# KiCad board IMXDesign.kicad_pcb (continued)
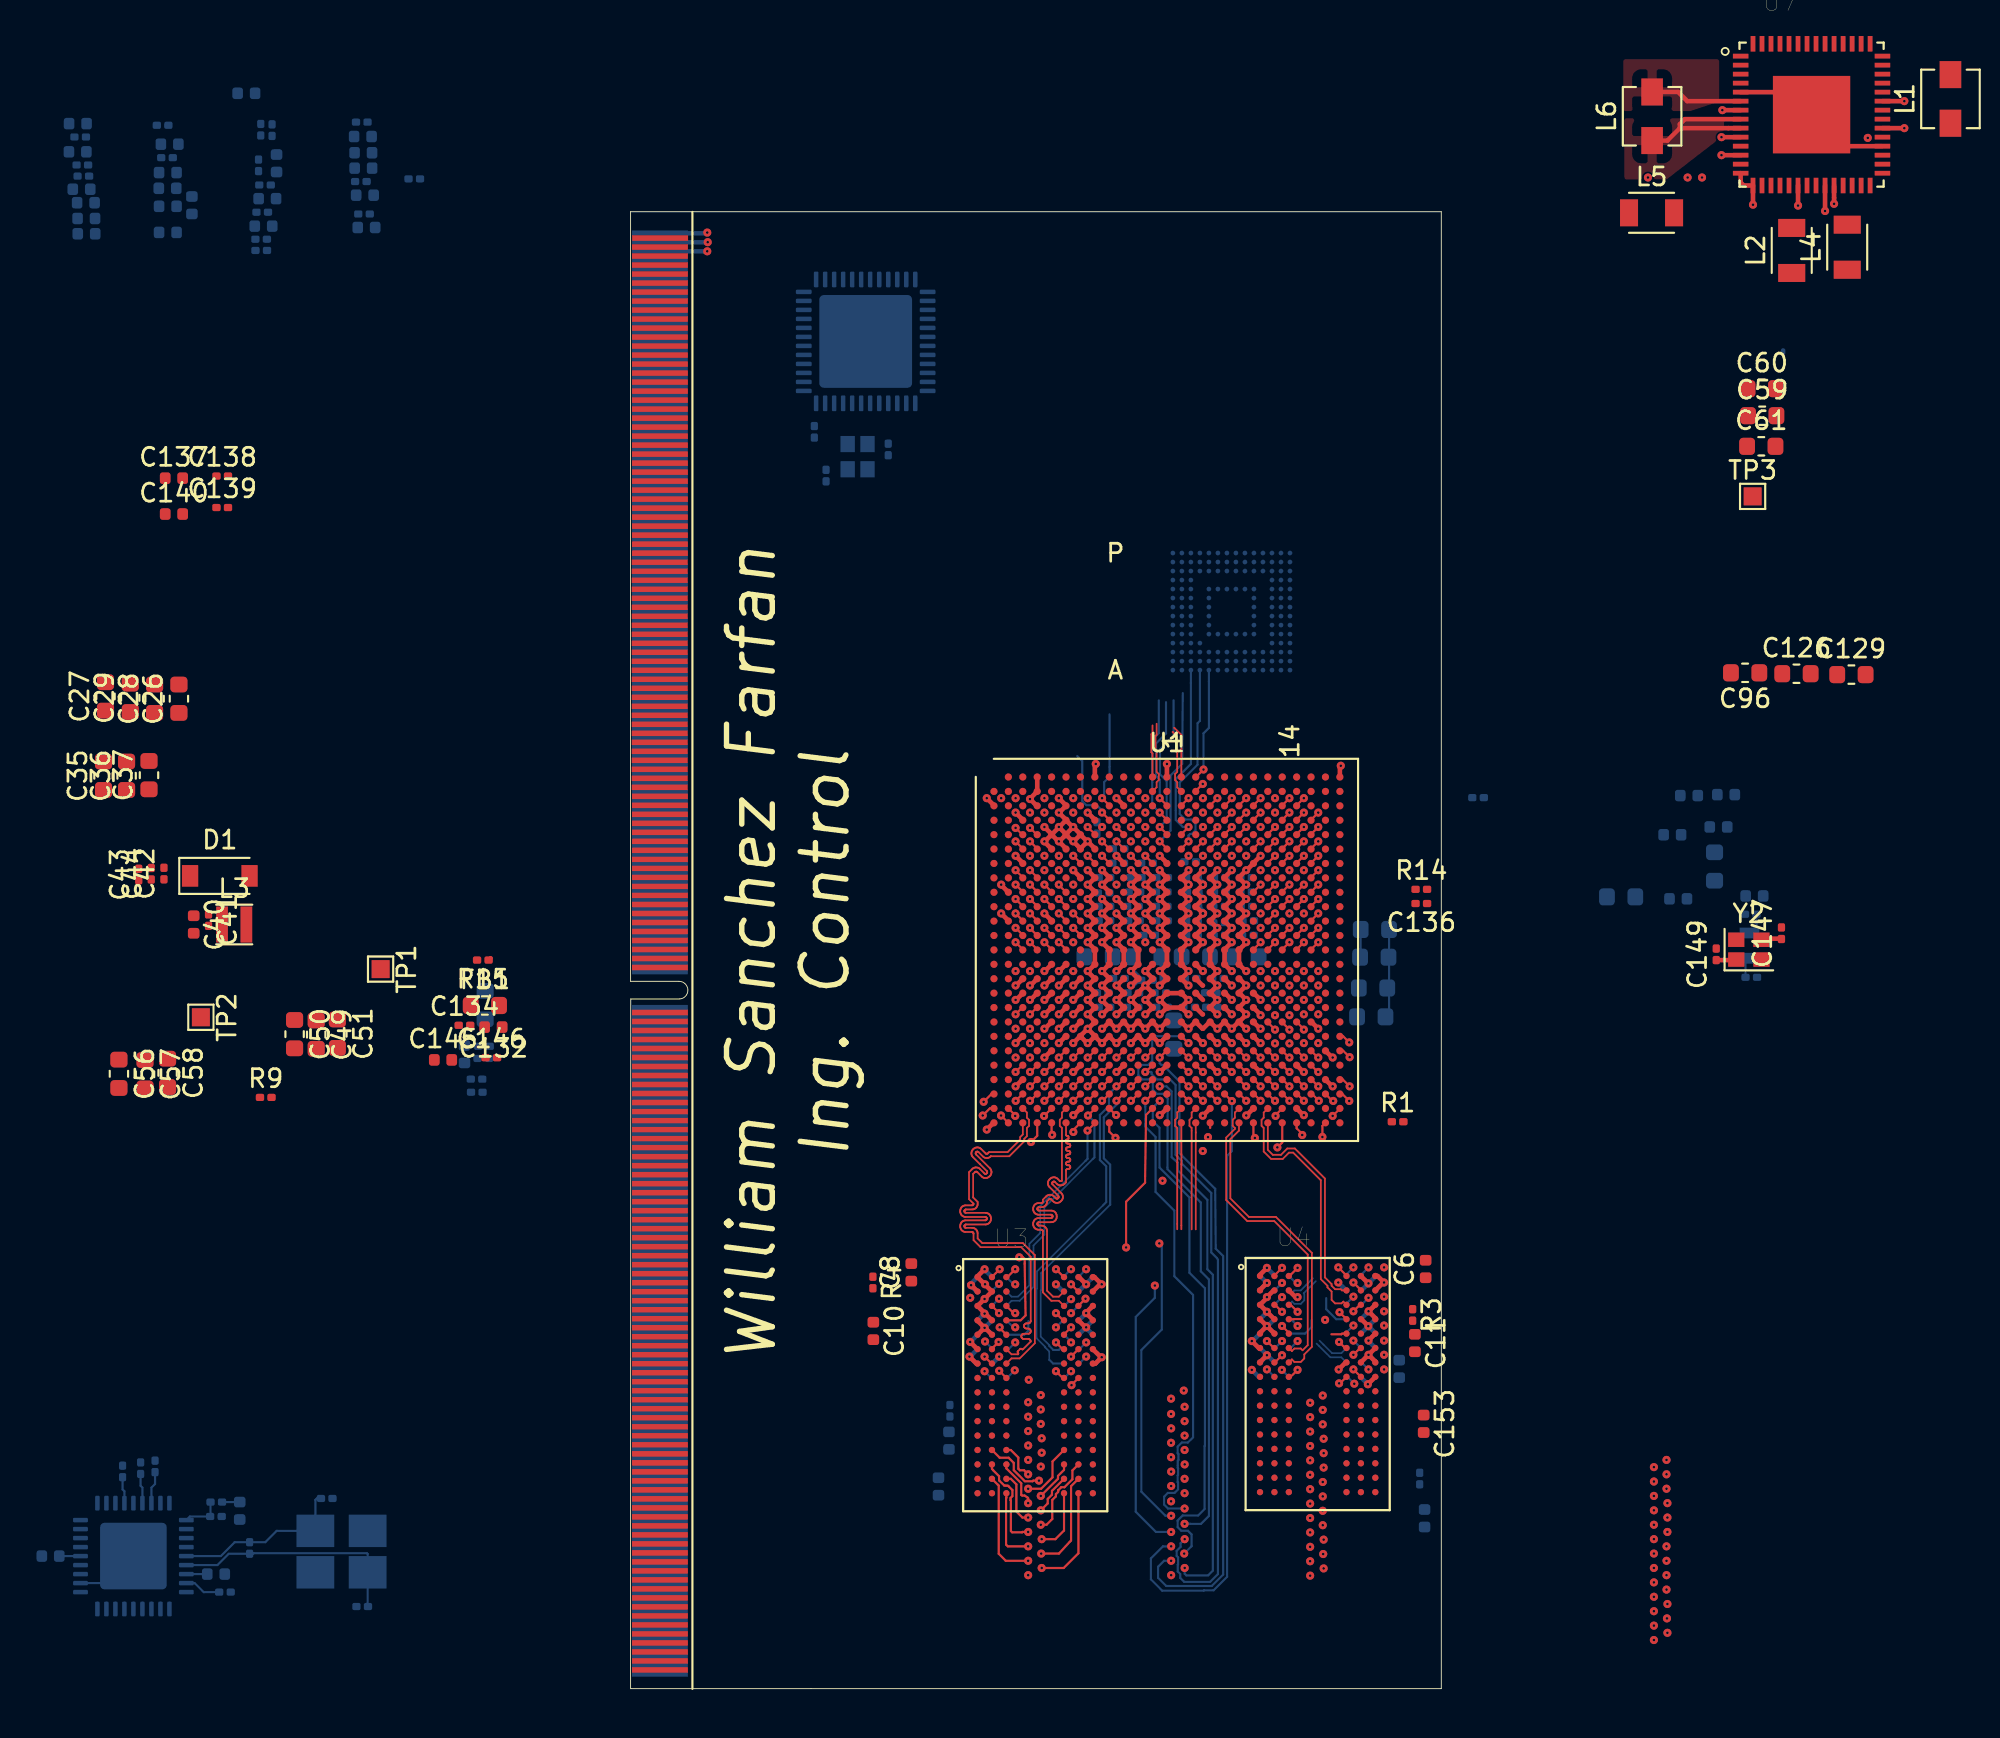
[diagram p0: board, top side]
## Footprints (pads in the part's own frame, mm; a bottom-side part is the same pattern mirrored in y, then rotated) (continued)
  rrect 0.25x0.875 smd: 13(-2.75,-3.438) 14(-2.25,-3.438) 15(-1.75,-3.438) 16(-1.25,-3.438) 17(-0.75,-3.438) 18(-0.25,-3.438) 19(0.25,-3.438) 20(0.75,-3.438) 21(1.25,-3.438) 22(1.75,-3.438) 23(2.25,-3.438) 24(2.75,-3.438) 37(2.75,3.438) 38(2.25,3.438) 39(1.75,3.438) 40(1.25,3.438) 41(0.75,3.438) 42(0.25,3.438) 43(-0.25,3.438) 44(-0.75,3.438) 45(-1.25,3.438) 46(-1.75,3.438) 47(-2.25,3.438) 48(-2.75,3.438)
  rrect 5.15x5.15 smd: 49(0,0)
R_0201_0603Metric
  rrect 0.318x0.36 smd: (-0.345,0) (0.345,0)
  rrect 0.46x0.4 smd: 1(-0.32,0) 2(0.32,0)
R_0402_1005Metric
  rrect 0.59x0.64 smd: 1(-0.485,0) 2(0.485,0)
TestPoint_Pad_1.0x1.0mm
  rect 1x1 smd: 1(0,0)

## Nets
+0v75_DDR: C35.1 C36.1 C37.1 L2.2 U7.19
+1V1_NVCC_PLL_OUT: C122.1 C123.1 U1.E8
+1V1_VDDSOC_VP: C108.1 C109.1 C110.1 C111.1 C112.1 C113.1 C114.1 C132.1 C135.1 C137.1 C138.1 FB1.2 R11.1 U1.G13 U1.L7 U1.R10 U1.T10 U1.T13 U1.T14 U1.U10 U1.U13 U1.U14
+1V2_VDDARM_CAP: C98.1 C99.1 C100.1 C101.1 C102.1 C103.1 C104.1 C105.1 C106.1 C107.1 C121.1 U1.H11 U1.H13 U1.J11 U1.J13 U1.K11 U1.K13 U1.L11 U1.L13 U1.M11 U1.M13 U1.N11 U1.N12 U1.N13 U1.P11 U1.P13 U1.R11 U1.R13
+1v5_DDR: C12.1 C26.1 C27.1 C28.1 C29.1 L1.2 U1.R18 U1.T18 U1.U18 U1.V9 U1.V10 U1.V11 U1.V12 U1.V13 U1.V14 U1.V15 U1.V16 U1.V17 U1.V18 U2.A1 U2.A8 U2.B2 U2.C1 U2.C9 U2.D2 U2.D9 U2.E9 U2.F1 U2.G7 U2.H2 U2.H9 U2.K2 U2.K8 U2.N1 U2.N9 U2.R1 U2.R9 U3.A1 U3.A8 U3.B2 U3.C1 U3.C9 U3.D2 U3.D9 U3.E9 U3.F1 U3.G7 U3.H2 U3.H9 U3.K2 U3.K8 U3.N1 U3.N9 U3.R1 U3.R9 U4.A1 U4.A8 U4.B2 U4.C1 U4.C9 U4.D2 U4.D9 U4.E9 U4.F1 U4.G7 U4.H2 U4.H9 U4.K2 U4.K8 U4.N1 U4.N9 U4.R1 U4.R9 U5.A1 U5.A8 U5.B2 U5.C1 U5.C9 U5.D2 U5.D9 U5.E9 U5.F1 U5.G7 U5.H2 U5.H9 U5.K2 U5.K8 U5.N1 U5.N9 U5.R1 U5.R9 U7.30 U7.38
+1V375_CORE: C56.1 C57.1 C58.1 C72.1 C73.1 C74.1 C75.1 C76.1 C77.1 C78.1 C79.1 C80.1 C81.1 C82.1 C83.1 L5.2 TP2.1 U1.H14 U1.J14 U1.K9 U1.K14 U1.L9 U1.L14 U1.M9 U1.M14 U1.N9 U1.N14 U1.P9 U1.P14 U1.R9 U1.R14 U1.T9 U1.U9 U7.13
+1V375_SOC: C59.1 C60.1 C61.1 C84.1 C85.1 C86.1 C87.1 C88.1 C89.1 C90.1 C91.1 C92.1 C93.1 C94.1 L6.2 TP3.1 U1.H16 U1.J16 U1.K16 U1.L16 U1.M16 U1.N16 U1.P16 U1.R16 U1.T16 U1.U16 U7.6
+2V5: C131.1 C139.1 C140.1 C145.1 C146.1 R10.1 R14.1 U1.M7 U1.V7
+2V5_VDDHIGH_CAP: C127.1 C128.1 C129.1 U1.H10 U1.J10
+3V3: C1.1 C2.1 C49.1 C50.1 C51.1 C62.1 L4.2 TP1.1 U7.25 U7.27 U7.40 U7.55
+5V: C42.1 C43.1 C44.1 D1.1 U7.44
+VDDPU: C115.1 C116.1 C117.1 C118.1 C119.1 C120.1 U1.H17 U1.J17 U1.K17 U1.L17 U1.M17 U1.N17 U1.P17
+VDDUSB: C125.1 C126.1 U1.F9
/SourcePower/3v3_LICELL: C21.1 U7.42
/SourcePower/+3v0_VSNS: C20.1 R6.1 R7.1 R8.1 U7.43
GND: C1.2 C2.2 C3.2 C4.2 C5.2 C6.2 C7.2 C8.2 C9.2 C10.2 C11.2 C13.2 C14.2 C15.2 C16.2 C17.2 C18.2 C19.2 C20.2 C21.2 C22.2 C23.2 C24.2 C25.2 C26.2 C27.2 C28.2 C29.2 C30.2 C31.2 C32.2 C33.2 C34.2 C35.2 C36.2 C37.2 C38.2 C39.2 C40.2 C41.2 C42.2 C43.2 C44.2 C45.2 C46.2 C47.2 C48.2 C49.2 C50.2 C51.2 C52.2 C53.2 C54.2 C55.2 C56.2 C57.2 C58.2 C59.2 C60.2 C61.2 C62.2 C63.2 C64.2 C65.2 C66.2 C67.2 C68.2 C69.2 C70.2 C71.2 C72.2 C73.2 C74.2 C75.2 C76.2 C77.2 C78.2 C79.2 C80.2 C81.2 C82.2 C83.2 C84.2 C85.2 C86.2 C87.2 C88.2 C89.2 C90.2 C91.2 C92.2 C93.2 C94.2 C95.2 C96.2 C97.2 C98.2 C99.2 C100.2 C101.2 C102.2 C103.2 C104.2 C105.2 C106.2 C107.2 C108.2 C109.2 C110.2 C111.2 C112.2 C113.2 C114.2 C115.2 C116.2 C117.2 C118.2 C119.2 C120.2 C121.2 C122.2 C123.2 C124.2 C125.2 C126.2 C127.2 C128.2 C129.2 C130.2 C131.2 C132.2 C133.2 C134.2 C135.2 C136.2 C137.2 C138.2 C139.2 C140.2 C141.2 C142.2 C143.2 C144.2 C145.2 C146.2 C147.2 C148.2 C149.2 C150.2 C151.2 C152.2 C153.2 D2.1 R1.2 R2.2 R3.2 R4.2 R5.2 R9.2 R12.2 R15.2 R16.2 R18.2 R19.2 R20.2 R21.2 R22.2 U1.A4 U1.A8 U1.A13 U1.A25 U1.AA7 U1.AA10 U1.AA13 U1.AA16 U1.AA19 U1.AA22 U1.AB3 U1.AB24 U1.AD4 U1.AD7 U1.AD10 U1.AD13 U1.AD16 U1.AD19 U1.AD22 U1.AE1 U1.AE25 U1.B4 U1.C1 U1.C4 U1.C6 U1.C10 U1.D3 U1.D6 U1.D8 U1.E5 U1.E6 U1.E7 U1.F5 U1.F6 U1.F7 U1.F8 U1.G3 U1.G10 U1.G19 U1.H8 U1.H12 U1.H15 U1.H18 U1.J2 U1.J8 U1.J12 U1.J15 U1.J18 U1.K8 U1.K10 U1.K12 U1.K15 U1.K18 U1.L2 U1.L5 U1.L8 U1.L10 U1.L12 U1.L15 U1.L18 U1.M8 U1.M10 U1.M12 U1.M15 U1.M18 U1.N8 U1.N10 U1.N15 U1.N18 U1.P8 U1.P10 U1.P12 U1.P15 U1.P18 U1.R8 U1.R12 U1.R15 U1.R17 U1.T8 U1.T11 U1.T12 U1.T15 U1.T17 U1.T19 U1.U8 U1.U11 U1.U12 U1.U15 U1.U17 U1.U19 U1.V8 U1.V19 U1.W3 U1.W7 U1.W8 U1.W9 U1.W10 U1.W11 U1.W12 U1.W13 U1.W15 U1.W16 U1.W17 U1.W18 U1.W19 U1.Y5 U1.Y24 U2.A9 U2.B1 U2.B3 U2.B9 U2.D1 U2.D8 U2.E1 U2.E2 U2.E8 U2.F9 U2.G1 U2.G8 U2.G9 U2.J2 U2.J8 U2.M1 U2.M9 U2.P1 U2.P9 U2.T1 U2.T9 U3.A9 U3.B1 U3.B3 U3.B9 U3.D1 U3.D8 U3.E1 U3.E2 U3.E8 U3.F9 U3.G1 U3.G8 U3.G9 U3.J2 U3.J8 U3.M1 U3.M9 U3.P1 U3.P9 U3.T1 U3.T9 U4.A9 U4.B1 U4.B3 U4.B9 U4.D1 U4.D8 U4.E1 U4.E2 U4.E8 U4.F9 U4.G1 U4.G8 U4.G9 U4.J2 U4.J8 U4.M1 U4.M9 U4.P1 U4.P9 U4.T1 U4.T9 U5.A9 U5.B1 U5.B3 U5.B9 U5.D1 U5.D8 U5.E1 U5.E2 U5.E8 U5.F9 U5.G1 U5.G8 U5.G9 U5.J2 U5.J8 U5.M1 U5.M9 U5.P1 U5.P9 U5.T1 U5.T9 U6.A6 U6.C4 U6.E7 U6.G5 U6.H10 U6.J5 U6.K8 U6.N2 U6.N5 U6.P4 U6.P6 U7.5 U7.14 U7.15 U7.32 U7.48 U7.57 U9.29 U9.49 U10.11 U10.37 Y1.2 Y1.4 Y2.2 Y2.4 Y4.2 Y4.4
/Camera/CSI0_D4: U1.N1 U8.238
/Camera/CSI0_D5: U1.P2 U8.240
/Camera/CSI0_D6: U1.N4 U8.242
/Camera/CSI0_D7: U1.N3 U8.244
/Camera/CSI0_D8: U1.N6 U8.246
/Camera/CSI0_D9: U1.N5 U8.248
/Camera/CSI0_D10: U1.M1 U8.250
/Camera/CSI0_D11: U1.M3 U8.252
/Camera/CSI0_D12: U1.M2 U8.254
/Camera/CSI0_D13: U1.L1 U8.256
/Camera/CSI0_D14: U1.M4 U8.258
/Camera/CSI0_D15: U1.M5 U8.260
/Camera/CSI0_D16: U1.L4 U8.262
/Camera/CSI0_D17: U1.L3 U8.264
/Camera/CSI0_D18: U1.M6 U8.266
/Camera/CSI0_D19: U1.L6 U8.268
/Camera/CSI_CLK0+: U1.F3 U8.83
/Camera/CSI_CLK0-: U1.F4 U8.81
/Camera/CSI_D0+: U1.E3 U8.87
/Camera/CSI_D0-: U1.E4 U8.85
/Camera/CSI_D1+: U1.D2 U8.91
/Camera/CSI_D1-: U1.D1 U8.89
/Camera/CSI_D2+: U1.E2 U8.95
/Camera/CSI_D2-: U1.E1 U8.93
/Camera/CSI_D3+: U1.F1 U8.99
/Camera/CSI_D3-: U1.F2 U8.97
/Camera/DSI_CLK0+: U1.H4 U8.133
/Camera/DSI_CLK0-: U1.H3 U8.131
/Camera/DSI_D0+: U1.G1 U8.137
/Camera/DSI_D0-: U1.G2 U8.135
/Camera/DSI_D1+: U1.H1 U8.141
/Camera/DSI_D1-: U1.H2 U8.139
/CarrierBoard_A/DI0_DISP_CLK: U1.N19 U8.34
/CarrierBoard_A/DI0_PIN2: U1.N25 U8.38
/CarrierBoard_A/DI0_PIN3: U1.N20 U8.40
/CarrierBoard_A/DI0_PIN4: U1.P25 U8.42
/CarrierBoard_A/DI0_PIN15: U1.N21 U8.36
/CarrierBoard_A/HDMI_CLK+: U1.J6 U8.100
/CarrierBoard_A/HDMI_CLK-: U1.J5 U8.98
/CarrierBoard_A/HDMI_D0+: U1.K6 U8.104
/CarrierBoard_A/HDMI_D0-: U1.K5 U8.102
/CarrierBoard_A/HDMI_D1+: U1.J4 U8.108
/CarrierBoard_A/HDMI_D1-: U1.J3 U8.106
/CarrierBoard_A/HDMI_D2+: U1.K4 U8.112
/CarrierBoard_A/HDMI_D2-: U1.K3 U8.16
/CarrierBoard_A/KEY_COL0: U1.W5
/CarrierBoard_A/KEY_COL1: U1.U7 U8.30
/CarrierBoard_A/KEY_COL2: U1.W6 U8.28
/CarrierBoard_A/KEY_COL3: U1.U5 U8.26
/CarrierBoard_A/KEY_COL4: U1.T6 U8.24
/CarrierBoard_A/KEY_ROW0: U1.V6 U8.20
/CarrierBoard_A/KEY_ROW1: U1.U6 U8.18
/CarrierBoard_A/KEY_ROW2: U1.W4
/CarrierBoard_A/KEY_ROW3: U1.T7 U8.14
/CarrierBoard_A/KEY_ROW4: U1.V5 U8.12
/CarrierBoard_A/LED1: U8.9 U9.17
/CarrierBoard_A/LED2: U8.7 U9.15
/CarrierBoard_A/NANDF_CS0: U1.F15 U8.54
/CarrierBoard_A/NANDF_CS1: U1.C16 U8.56
/CarrierBoard_A/NANDF_CS2: U1.A17 U8.58
/CarrierBoard_A/NANDF_CS3: U1.D16
/CarrierBoard_A/NANDF_D0: U1.A18 U8.64
/CarrierBoard_A/NANDF_D1: U1.C17 U8.66
/CarrierBoard_A/NANDF_D2: U1.F16 U8.68
/CarrierBoard_A/NANDF_D3: U1.D17 U8.70
/CarrierBoard_A/NANDF_D4: U1.A19 U8.72
/CarrierBoard_A/NANDF_D5: U1.B18 U8.74
/CarrierBoard_A/NANDF_D6: U1.E17 U8.76
/CarrierBoard_A/NANDF_D7: U1.C18 U8.78
/CarrierBoard_A/PCIe_RX+: U1.B2 U8.35
/CarrierBoard_A/PCIe_RX-: U1.B1 U8.37
/CarrierBoard_A/PCIe_TX+: U1.B3 U8.29
/CarrierBoard_A/PCIe_TX-: U1.A3 U8.31
/CarrierBoard_A/SATA_RX+: U1.B14 U8.47
/CarrierBoard_A/SATA_RX-: U1.A14 U8.45
/CarrierBoard_A/SATA_TX+: U1.A12 U8.53
/CarrierBoard_A/SATA_TX-: U1.B12 U8.51
/CarrierBoard_A/SD4_CLK: U1.E16 U8.136
/CarrierBoard_A/SD4_CMD: U1.B17 U8.60
/CarrierBoard_A/SD4_D0: U1.D18 U8.140
/CarrierBoard_A/SD4_D1: U1.B19 U8.142
/CarrierBoard_A/SD4_D2: U1.F17 U8.144
/CarrierBoard_A/SD4_D3: U1.A20 U8.146
/CarrierBoard_A/SD4_D4: U1.E18 U8.148
/CarrierBoard_A/SD4_D5: U1.C19 U8.150
/CarrierBoard_A/SD4_D6: U1.B20 U8.152
/CarrierBoard_A/SD4_D7: U1.D19 U8.154
/CarrierBoard_A/TXRXA_+: U8.25 U9.2
/CarrierBoard_A/TXRXA_-: U8.23 U9.3
/CarrierBoard_A/TXRXB_+: U8.21 U9.5
/CarrierBoard_A/TXRXB_-: U8.19 U9.6
/CarrierBoard_A/TXRXC_+: U8.17 U9.7
/CarrierBoard_A/TXRXC_-: U8.15 U9.8
/CarrierBoard_A/TXRXD_+: U8.13 U9.10
/CarrierBoard_A/TXRXD_-: U8.11 U9.11
/CarrierBoard_A/WIFI_CLK: U1.C21 U8.127
/CarrierBoard_A/WIFI_CMD: U1.F19 U8.129
/CarrierBoard_A/WIFI_SDIO_D0: U1.A22 U8.113
/CarrierBoard_A/WIFI_SDIO_D1: U1.E20 U8.115
/CarrierBoard_A/WIFI_SDIO_D2: U1.A23 U8.117
/CarrierBoard_A/WIFI_SDIO_D3: U1.B22 U8.119
/CarrierBoard_B/DISPO_DAT0: U8.159
/CarrierBoard_B/DISPO_DAT1: U8.161
/CarrierBoard_B/DISPO_DAT2: U8.163
/CarrierBoard_B/DISPO_DAT3: U8.165
/CarrierBoard_B/DISPO_DAT7: U8.173
/CarrierBoard_B/DISPO_DAT8: U8.175
/CarrierBoard_B/DISPO_DAT9: U8.177
/CarrierBoard_B/DISPO_DAT10: U8.179
/CarrierBoard_B/DISPO_DAT11: U8.181
/CarrierBoard_B/DISPO_DAT12: U8.183
/CarrierBoard_B/DISPO_DAT13: U8.185
/CarrierBoard_B/DISPO_DAT14: U8.187
/CarrierBoard_B/DISPO_DAT15: U8.189
/CarrierBoard_B/DISPO_DAT16: U8.191
/CarrierBoard_B/DISPO_DAT17: U8.193
/CarrierBoard_B/DISPO_DAT18: U8.195
/CarrierBoard_B/DISPO_DAT19: U8.197
/CarrierBoard_B/DISPO_DAT20: U8.199
/CarrierBoard_B/DISPO_DAT21: U8.201
/CarrierBoard_B/DISPO_DAT22: U8.203
/CarrierBoard_B/DISPO_DAT23: U8.205
/CarrierBoard_B/EIM_A16: U1.H25 U8.237
/CarrierBoard_B/EIM_A17: U1.G24 U8.239
/CarrierBoard_B/EIM_A18: U1.J22 U8.241
/CarrierBoard_B/EIM_A19: U1.G25 U8.243
/CarrierBoard_B/EIM_A20: U1.H22 U8.245
/CarrierBoard_B/EIM_A21: U1.H23 U8.247
/CarrierBoard_B/EIM_A22: U1.F24 U8.249
/CarrierBoard_B/EIM_A23: U1.J21 U8.251
/CarrierBoard_B/EIM_A24: U1.F25 U8.253
/CarrierBoard_B/EIM_A25: U1.H19 U8.255
/CarrierBoard_B/EIM_BCLK: U1.N22 U8.295
/CarrierBoard_B/EIM_CS0: U1.H24 U8.305
/CarrierBoard_B/EIM_CS1: U1.J23 U8.307
/CarrierBoard_B/EIM_DA0: U1.L20 U8.158
/CarrierBoard_B/EIM_DA1: U1.J25 U8.160
/CarrierBoard_B/EIM_DA2: U1.L21 U8.162
/CarrierBoard_B/EIM_DA3: U1.K24 U8.164
/CarrierBoard_B/EIM_DA4: U1.L22
/CarrierBoard_B/EIM_DA5: U1.L23
/CarrierBoard_B/EIM_DA6: U1.K25
/CarrierBoard_B/EIM_DA7: U1.L25
/CarrierBoard_B/EIM_DA8: U1.L24 U8.174
/CarrierBoard_B/EIM_DA9: U1.M21 U8.176
/CarrierBoard_B/EIM_DA10: U1.M22 U8.178
/CarrierBoard_B/EIM_DA11: U1.M20 U8.180
/CarrierBoard_B/EIM_DA12: U1.M24 U8.182
/CarrierBoard_B/EIM_DA13: U1.M23 U8.184
/CarrierBoard_B/EIM_DA14: U1.N23 U8.186
/CarrierBoard_B/EIM_DA15: U1.N24 U8.188
/CarrierBoard_B/EIM_DA16: U1.C25 U8.190
/CarrierBoard_B/EIM_DA17: U1.F21 U8.192
/CarrierBoard_B/EIM_DA18: U1.D24 U8.194
/CarrierBoard_B/EIM_DA19: U1.G21 U8.196
/CarrierBoard_B/EIM_DA20: U1.G20 U8.198
/CarrierBoard_B/EIM_DA21: U1.H20 U8.200
/CarrierBoard_B/EIM_DA22: U1.E23 U8.202
/CarrierBoard_B/EIM_DA23: U1.D25 U8.204
/CarrierBoard_B/EIM_DA24: U1.F22 U8.206
/CarrierBoard_B/EIM_DA25: U1.G22 U8.208
/CarrierBoard_B/EIM_DA26: U1.E24 U8.210
/CarrierBoard_B/EIM_DA27: U1.E25 U8.212
/CarrierBoard_B/EIM_DA28: U1.G23 U8.214
/CarrierBoard_B/EIM_DA29: U1.J19 U8.216
/CarrierBoard_B/EIM_DA30: U1.J20 U8.218
/CarrierBoard_B/EIM_DA31: U1.H21 U8.220
/CarrierBoard_B/EIM_EB0: U1.K21 U8.215
/CarrierBoard_B/EIM_EB1: U1.K23 U8.217
/CarrierBoard_B/EIM_EB2: U1.E22 U8.219
/CarrierBoard_B/EIM_EB3: U1.F23 U8.221
/CarrierBoard_B/EIM_LBA: U1.K22 U8.297
/CarrierBoard_B/EIM_OE: U1.J24 U8.299
/CarrierBoard_B/EIM_RW: U1.K20 U8.301
/CarrierBoard_B/EIM_WAIT: U1.M25 U8.303
/CarrierBoard_B/GPIO0: U1.T5 U8.300
/CarrierBoard_B/GPIO1: U1.T4 U8.298
/CarrierBoard_B/GPIO2: U1.T1 U8.296
/CarrierBoard_B/GPIO3: U1.R7 U8.294
/CarrierBoard_B/GPIO4: U1.R6 U8.292
/CarrierBoard_B/GPIO5: U1.R4 U8.290
/CarrierBoard_B/GPIO6: U1.T3 U8.288
/CarrierBoard_B/GPIO7: U1.R3 U8.286
/CarrierBoard_B/GPIO8: U1.R5 U8.284
/CarrierBoard_B/GPIO9: U1.T2 U8.282
/CarrierBoard_B/GPIO16: U1.R2 U8.280
/CarrierBoard_B/GPIO17: U1.R1 U8.278
/CarrierBoard_B/GPIO18: U1.P6 U8.276
/CarrierBoard_B/GPIO19: U1.P5 U8.274
/CarrierBoard_B/LVDS0_TX0+: U1.U1 U8.261
/CarrierBoard_B/LVDS0_TX0-: U1.U2 U8.259
/CarrierBoard_B/LVDS0_TX1+: U1.U3 U8.265
/CarrierBoard_B/LVDS0_TX1-: U1.U4 U8.263
/CarrierBoard_B/LVDS0_TX2+: U1.V1 U8.269
/CarrierBoard_B/LVDS0_TX2-: U1.V2 U8.267
/CarrierBoard_B/LVDS0_TX3+: U1.W1 U8.273
/CarrierBoard_B/LVDS0_TX3-: U1.W2 U8.271
/CarrierBoard_B/LVDS1_TX0+: U1.Y2 U8.279
/CarrierBoard_B/LVDS1_TX0-: U1.Y1 U8.277
/CarrierBoard_B/LVDS1_TX1+: U1.AA1 U8.283
/CarrierBoard_B/LVDS1_TX1-: U1.AA2 U8.281
/CarrierBoard_B/LVDS1_TX2+: U1.AB2 U8.287
/CarrierBoard_B/LVDS1_TX2-: U1.AB1 U8.285
/CarrierBoard_B/LVDS1_TX3+: U1.AA4 U8.291
/CarrierBoard_B/LVDS1_TX3-: U1.AA3 U8.289
/DDR3_Memory/CPU_DDR3/DRAM_A0: U1.AC14 U2.N3 U3.N3 U4.N3 U5.N3
/DDR3_Memory/CPU_DDR3/DRAM_A1: U1.AB14 U2.P7 U3.P7 U4.P7 U5.P7
/DDR3_Memory/CPU_DDR3/DRAM_A2: U1.AA14 U2.P3 U3.P3 U4.P3 U5.P3
/DDR3_Memory/CPU_DDR3/DRAM_A3: U1.Y14 U2.N2 U3.N2 U4.N2 U5.N2
/DDR3_Memory/CPU_DDR3/DRAM_A4: U1.W14 U2.P8 U3.P8 U4.P8 U5.P8
/DDR3_Memory/CPU_DDR3/DRAM_A5: U1.AE13 U2.P2 U3.P2 U4.P2 U5.P2
/DDR3_Memory/CPU_DDR3/DRAM_A6: U1.AC13 U2.R8 U3.R8 U4.R8 U5.R8
/DDR3_Memory/CPU_DDR3/DRAM_A7: U1.Y13 U2.R2 U3.R2 U4.R2 U5.R2
/DDR3_Memory/CPU_DDR3/DRAM_A8: U1.AB13 U2.T8 U3.T8 U4.T8 U5.T8
/DDR3_Memory/CPU_DDR3/DRAM_A9: U1.AE12 U2.R3 U3.R3 U4.R3 U5.R3
/DDR3_Memory/CPU_DDR3/DRAM_A10: U1.AA15 U2.L7 U3.L7 U4.L7 U5.L7
/DDR3_Memory/CPU_DDR3/DRAM_A11: U1.AC12 U2.R7 U3.R7 U4.R7 U5.R7
/DDR3_Memory/CPU_DDR3/DRAM_A12: U1.AD12 U2.N7 U3.N7 U4.N7 U5.N7
/DDR3_Memory/CPU_DDR3/DRAM_A13: U1.AC17 U2.T3 U3.T3 U4.T3 U5.T3
/DDR3_Memory/CPU_DDR3/DRAM_A14: U1.AA12 U2.T7 U3.T7 U4.T7 U5.T7
/DDR3_Memory/CPU_DDR3/DRAM_A15: U1.Y12 U2.M7 U3.M7 U4.M7 U5.M7
/DDR3_Memory/CPU_DDR3/DRAM_CAS_B: U1.AE16 U2.K3 U3.K3 U4.K3 U5.K3
/DDR3_Memory/CPU_DDR3/DRAM_CS0_B: U1.Y16 U2.L2 U3.L2 U4.L2 U5.L2
/DDR3_Memory/CPU_DDR3/DRAM_D0: U1.AD2 U3.E3
/DDR3_Memory/CPU_DDR3/DRAM_D1: U1.AE2 U3.F8
/DDR3_Memory/CPU_DDR3/DRAM_D2: U1.AC4 U3.F2
/DDR3_Memory/CPU_DDR3/DRAM_D3: U1.AA5 U3.H3
/DDR3_Memory/CPU_DDR3/DRAM_D4: U1.AC1 U3.G2
/DDR3_Memory/CPU_DDR3/DRAM_D5: U1.AD1 U3.H8
/DDR3_Memory/CPU_DDR3/DRAM_D6: U1.AB4 U3.H7
/DDR3_Memory/CPU_DDR3/DRAM_D7: U1.AE4 U3.F7
/DDR3_Memory/CPU_DDR3/DRAM_D8: U1.AD5 U3.D7
/DDR3_Memory/CPU_DDR3/DRAM_D9: U1.AE5 U3.A7
/DDR3_Memory/CPU_DDR3/DRAM_D10: U1.AA6 U3.A2
/DDR3_Memory/CPU_DDR3/DRAM_D11: U1.AE7 U3.B8
/DDR3_Memory/CPU_DDR3/DRAM_D12: U1.AB5 U3.A3
/DDR3_Memory/CPU_DDR3/DRAM_D13: U1.AC5 U3.C2
/DDR3_Memory/CPU_DDR3/DRAM_D14: U1.AB6 U3.C3
/DDR3_Memory/CPU_DDR3/DRAM_D15: U1.AC7 U3.C8
/DDR3_Memory/CPU_DDR3/DRAM_D16: U1.AB7 U2.D7
/DDR3_Memory/CPU_DDR3/DRAM_D17: U1.AA8 U2.C8
/DDR3_Memory/CPU_DDR3/DRAM_D18: U1.AB9 U2.C3
/DDR3_Memory/CPU_DDR3/DRAM_D19: U1.Y9 U2.A2
/DDR3_Memory/CPU_DDR3/DRAM_D20: U1.Y7 U2.B8
/DDR3_Memory/CPU_DDR3/DRAM_D21: U1.Y8 U2.A7
/DDR3_Memory/CPU_DDR3/DRAM_D22: U1.AC8 U2.C2
/DDR3_Memory/CPU_DDR3/DRAM_D23: U1.AA9 U2.A3
/DDR3_Memory/CPU_DDR3/DRAM_D24: U1.AE9 U2.E3
/DDR3_Memory/CPU_DDR3/DRAM_D25: U1.Y10 U2.H3
/DDR3_Memory/CPU_DDR3/DRAM_D26: U1.AE11 U2.H8
/DDR3_Memory/CPU_DDR3/DRAM_D27: U1.AB11 U2.F8
/DDR3_Memory/CPU_DDR3/DRAM_D28: U1.AC9 U2.F7
/DDR3_Memory/CPU_DDR3/DRAM_D29: U1.AD9 U2.F2
/DDR3_Memory/CPU_DDR3/DRAM_D30: U1.AD11 U2.H7
/DDR3_Memory/CPU_DDR3/DRAM_D31: U1.AC11 U2.G2
/DDR3_Memory/CPU_DDR3/DRAM_D32: U1.AA17 U4.E3
/DDR3_Memory/CPU_DDR3/DRAM_D33: U1.AA18 U4.H8
/DDR3_Memory/CPU_DDR3/DRAM_D34: U1.AC18 U4.G2
/DDR3_Memory/CPU_DDR3/DRAM_D35: U1.AE19 U4.F8
/DDR3_Memory/CPU_DDR3/DRAM_D36: U1.Y17 U4.H7
/DDR3_Memory/CPU_DDR3/DRAM_D37: U1.Y18 U4.H3
/DDR3_Memory/CPU_DDR3/DRAM_D38: U1.AB19 U4.F7
/DDR3_Memory/CPU_DDR3/DRAM_D39: U1.AC19 U4.F2
/DDR3_Memory/CPU_DDR3/DRAM_D40: U1.Y19 U4.D7
/DDR3_Memory/CPU_DDR3/DRAM_D41: U1.AB20 U4.A3
/DDR3_Memory/CPU_DDR3/DRAM_D42: U1.AB21 U4.B8
/DDR3_Memory/CPU_DDR3/DRAM_D43: U1.AD21 U4.A2
/DDR3_Memory/CPU_DDR3/DRAM_D44: U1.Y20 U4.C2
/DDR3_Memory/CPU_DDR3/DRAM_D45: U1.AA20 U4.C3
/DDR3_Memory/CPU_DDR3/DRAM_D46: U1.AE21 U4.A7
/DDR3_Memory/CPU_DDR3/DRAM_D47: U1.AC21 U4.C8
/DDR3_Memory/CPU_DDR3/DRAM_D48: U1.AC22 U5.D7
/DDR3_Memory/CPU_DDR3/DRAM_D49: U1.AE22 U5.C8
/DDR3_Memory/CPU_DDR3/DRAM_D50: U1.AE24 U5.A3
/DDR3_Memory/CPU_DDR3/DRAM_D51: U1.AC24 U5.C3
/DDR3_Memory/CPU_DDR3/DRAM_D52: U1.AB22 U5.B8
/DDR3_Memory/CPU_DDR3/DRAM_D53: U1.AC23 U5.A7
/DDR3_Memory/CPU_DDR3/DRAM_D54: U1.AD25 U5.A2
/DDR3_Memory/CPU_DDR3/DRAM_D55: U1.AC25 U5.C2
/DDR3_Memory/CPU_DDR3/DRAM_D56: U1.AB25 U5.E3
/DDR3_Memory/CPU_DDR3/DRAM_D57: U1.AA21 U5.H7
/DDR3_Memory/CPU_DDR3/DRAM_D58: U1.Y25 U5.H3
/DDR3_Memory/CPU_DDR3/DRAM_D59: U1.Y22 U5.H8
/DDR3_Memory/CPU_DDR3/DRAM_D60: U1.AB23 U5.F8
/DDR3_Memory/CPU_DDR3/DRAM_D61: U1.AA23 U5.F2
/DDR3_Memory/CPU_DDR3/DRAM_D62: U1.Y23 U5.F7
/DDR3_Memory/CPU_DDR3/DRAM_D63: U1.W25 U5.G2
/DDR3_Memory/CPU_DDR3/DRAM_DQM0: U1.AC3 U3.E7
/DDR3_Memory/CPU_DDR3/DRAM_DQM1: U1.AC6 U3.D3
/DDR3_Memory/CPU_DDR3/DRAM_DQM2: U1.AB8 U2.D3
/DDR3_Memory/CPU_DDR3/DRAM_DQM3: U1.AE10 U2.E7
/DDR3_Memory/CPU_DDR3/DRAM_DQM4: U1.AB18 U4.E7
/DDR3_Memory/CPU_DDR3/DRAM_DQM5: U1.AC20 U4.D3
/DDR3_Memory/CPU_DDR3/DRAM_DQM6: U1.AD24 U5.D3
/DDR3_Memory/CPU_DDR3/DRAM_DQM7: U1.Y21 U5.E7
/DDR3_Memory/CPU_DDR3/DRAM_RAS_B: U1.AB15 U2.J3 U3.J3 U4.J3 U5.J3
/DDR3_Memory/CPU_DDR3/DRAM_RESET: U1.Y6
/DDR3_Memory/CPU_DDR3/DRAM_SDBA0: U1.AC15 U2.M3 U3.M3 U4.M3 U5.M3
/DDR3_Memory/CPU_DDR3/DRAM_SDBA1: U1.Y15 U2.N8 U3.N8 U4.N8 U5.N8
/DDR3_Memory/CPU_DDR3/DRAM_SDBA2: U1.AB12 U2.M2 U3.M2 U4.M2 U5.M2
/DDR3_Memory/CPU_DDR3/DRAM_SDCKE0: U1.Y11 U2.K9 U3.K9 U4.K9 U5.K9
/DDR3_Memory/CPU_DDR3/DRAM_SDCLK_0+: U1.AD15 U2.J7 U5.J7
/DDR3_Memory/CPU_DDR3/DRAM_SDCLK_0-: U1.AE15 U2.K7 U5.K7
/DDR3_Memory/CPU_DDR3/DRAM_SDCLK_1+: U1.AD14 U3.J7 U4.J7
/DDR3_Memory/CPU_DDR3/DRAM_SDCLK_1-: U1.AE14 U3.K7 U4.K7
/DDR3_Memory/CPU_DDR3/DRAM_SDODT0: U1.AC16 U2.K1 U3.K1 U4.K1 U5.K1
/DDR3_Memory/CPU_DDR3/DRAM_SDQS0+: U1.AE3 U3.F3
/DDR3_Memory/CPU_DDR3/DRAM_SDQS0-: U1.AD3 U3.G3
/DDR3_Memory/CPU_DDR3/DRAM_SDQS1+: U1.AD6 U3.C7
/DDR3_Memory/CPU_DDR3/DRAM_SDQS1-: U1.AE6 U3.B7
/DDR3_Memory/CPU_DDR3/DRAM_SDQS2+: U1.AD8 U2.C7
/DDR3_Memory/CPU_DDR3/DRAM_SDQS2-: U1.AE8 U2.B7
/DDR3_Memory/CPU_DDR3/DRAM_SDQS3+: U1.AC10 U2.F3
/DDR3_Memory/CPU_DDR3/DRAM_SDQS3-: U1.AB10 U2.G3
/DDR3_Memory/CPU_DDR3/DRAM_SDQS4+: U1.AD18 U4.F3
/DDR3_Memory/CPU_DDR3/DRAM_SDQS4-: U1.AE18 U4.G3
/DDR3_Memory/CPU_DDR3/DRAM_SDQS5+: U1.AD20 U4.C7
/DDR3_Memory/CPU_DDR3/DRAM_SDQS5-: U1.AE20 U4.B7
/DDR3_Memory/CPU_DDR3/DRAM_SDQS6+: U1.AD23 U5.C7
/DDR3_Memory/CPU_DDR3/DRAM_SDQS6-: U1.AE23 U5.B7
/DDR3_Memory/CPU_DDR3/DRAM_SDQS7+: U1.AA25 U5.F3
/DDR3_Memory/CPU_DDR3/DRAM_SDQS7-: U1.AA24 U5.G3
/DDR3_Memory/MEM_DDR3/DRAM_SDWE_B: U1.AB16 U2.L3 U3.L3 U4.L3 U5.L3
/Display/DISPO_DAT0: U1.P24
/Display/DISPO_DAT1: U1.P22
/Display/DISPO_DAT2: U1.P23
/Display/DISPO_DAT3: U1.P21
/Display/DISPO_DAT4: U1.P20
/Display/DISPO_DAT5: U1.R25
/Display/DISPO_DAT6: U1.R23
/Display/DISPO_DAT7: U1.R24
/Display/DISPO_DAT8: U1.R22
/Display/DISPO_DAT9: U1.T25
/Display/DISPO_DAT10: U1.R21
/Display/DISPO_DAT11: U1.T23
/Display/DISPO_DAT12: U1.T24
/Display/DISPO_DAT13: U1.R20
/Display/DISPO_DAT14: U1.U25
/Display/DISPO_DAT15: U1.T22
/Display/DISPO_DAT16: U1.T21
/Display/DISPO_DAT17: U1.U24
